# Allegro board 1155001-Timing_board_V3_20241024_1805_pcb.brd (continued)
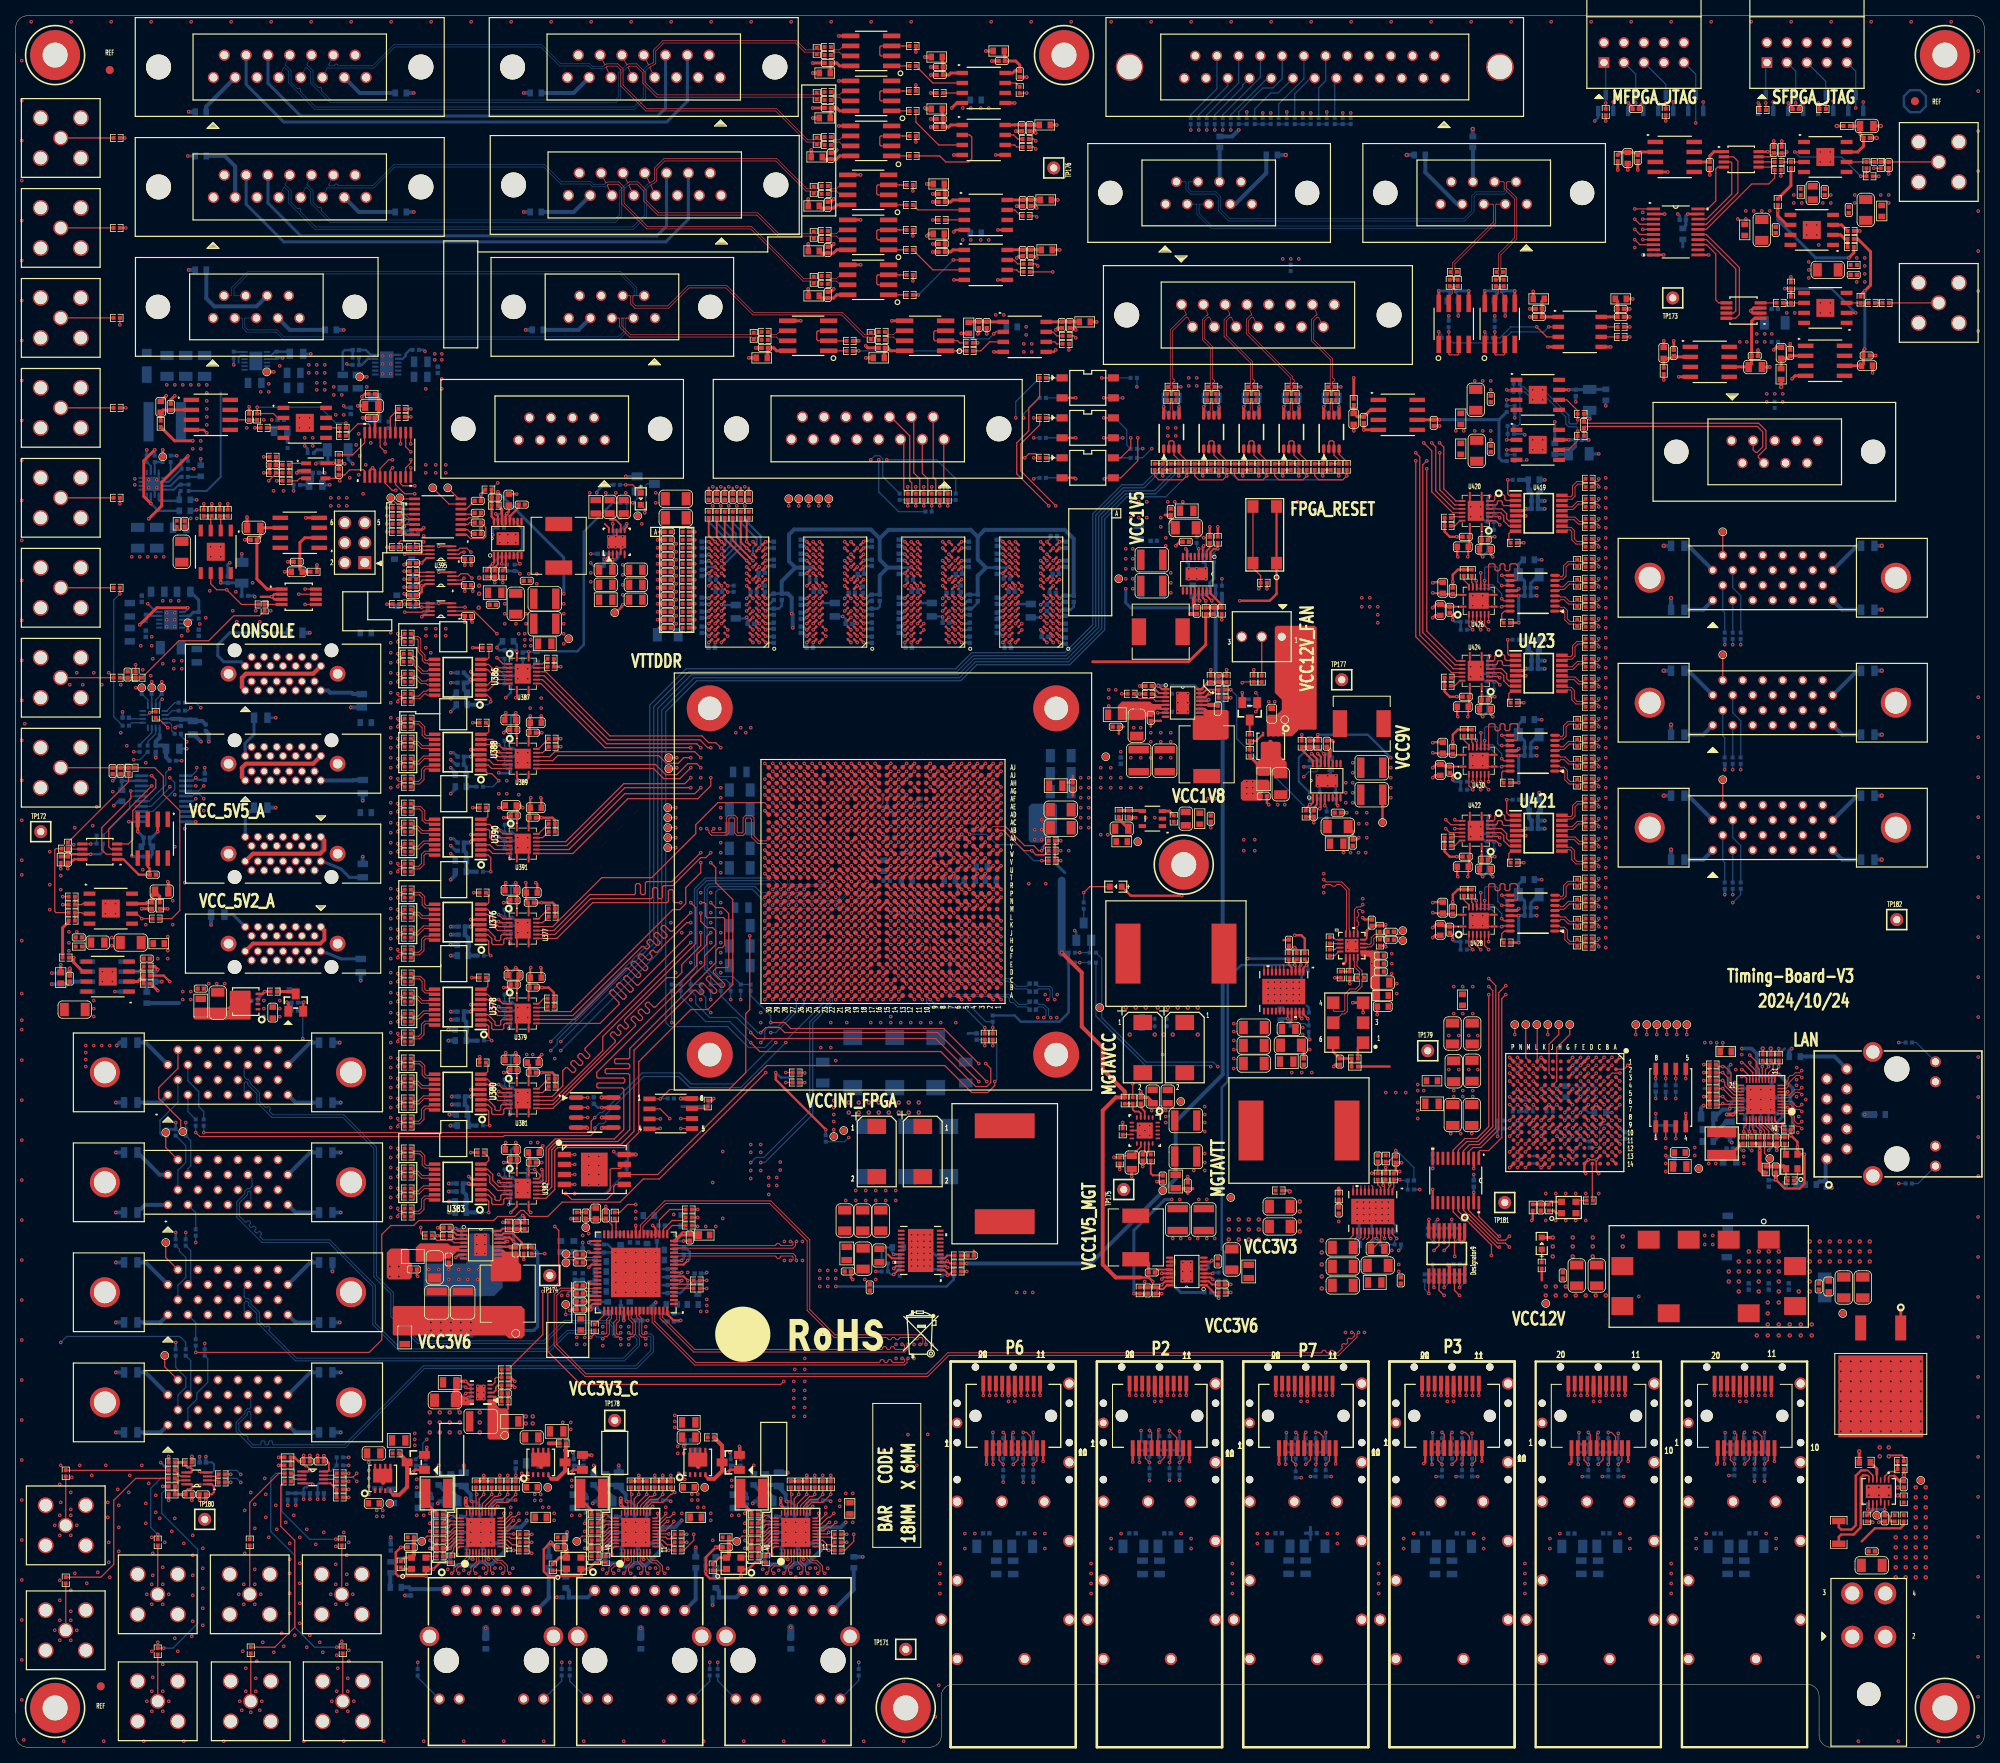
[diagram p0: board, top side]
## Routing (per net, layer and track width the routed paths; a pad name or vN(x,y) marks a point on that pad's centre or on a via; arc(x,y) is an arc through that point) (continued)
AD5592_1_SPI_MISO: length 101.6
  TOP w0.157: v1(19.3,129.54) 18.29,130.56 18.01,130.56 R946.2 ; U247.F30 v1(95.14,100)
  ART05 w0.102: v1(95.14,100) 94.64,100
  ART05 w0.117: 94.64,100 94.03,100 91.19,97.16 80.29,97.16 62.99,114.45 62.99,121.23 62.56,121.67 61.85,121.67 v1(61.34,121.16)
  ART10 w0.117: v1(61.34,121.16) 56.26,121.16 55.37,122.05 53.98,122.05 52.45,120.52 46.99,120.52 46.1,119.63 43.56,119.63 42.93,120.27 26.67,120.27 23.3,123.63 21.78,123.63 19.3,126.11 v1(19.3,129.54)
AD5592_1_SPI_MOSI: length 104.9
  TOP w0.157: U247.G29 v1(96.14,101)
  ART05 w0.102: v1(96.14,101) 95.74,100.6 94.97,100.6 94.82,100.75 94.64,100.75
  ART05 w0.117: v1(63.88,121.03) 65.53,119.38 65.53,114.63 67.86,112.3 67.86,112.14 67.31,111.59 67.31,111.43 67.48,111.26 67.64,111.26 68.19,111.81 68.35,111.81 68.52,111.64 68.52,111.48 67.97,110.93 67.97,110.77 68.14,110.6 68.31,110.6 68.85,111.15 69.02,111.15 82.25,97.92 90.93,97.92 93.77,100.75 94.64,100.75
  ART10 w0.117: v1(63.88,121.03) 63.37,121.54 63.37,123.7 62.48,124.59 60.71,124.59 59.94,123.83 46.1,123.83 44.2,121.92 26.92,121.92 25.27,123.57 25.27,130.3 v1(23.5,132.08)
  BOTTOM w0.157: R945.2 22.86,132.72 v1(23.5,132.08)
AD7680_CS: length 42.6
  TOP w0.157: U323.8 v1(36.74,147.15)
  ART05 w0.117: v1(19.56,124.33) 19.56,127.46 20.7,128.61 20.7,132.67 22.28,134.25 22.28,140.6 27.02,145.34 35.17,145.34 35.58,145.75 36.14,145.75 36.74,146.34 v1(36.74,147.15)
  BOTTOM w0.157: v1(19.56,124.33) 19.05,123.83 19.05,122.3 16.95,120.2 U324.15
AD7680_CS_ACS: length 14.8
  TOP w0.157: U435.15 214.7,192.21 218.9,188.01 218.9,182.04 218.43,181.56 U443.8
AD7680_CS_ACS_LS: length 231.3
  TOP w0.102: v1(100.14,111) U247.T25
  TOP w0.157: v1(205.61,192.86) 206.26,192.21 U435.6
  ART05 w0.117: v1(100.14,111) 99.63,111.51 98.93,111.51 98.68,111.25 98.68,110.66 98.23,110.21 85.58,110.21 71.37,124.42 71.37,160.3 76.51,165.44 76.51,169.13 80.43,173.05 130.99,173.05 132.73,174.79 170.94,174.79 171.32,174.41 196.96,174.41 202.01,179.46 202.01,189.93 204.94,192.86 v1(205.61,192.86)
AD7680_CS_LS: length 154.9
  TOP w0.157: U247.J19 v1(107.14,103)
  ART05 w0.102: v1(107.14,103) 106.68,102.54 106.68,101.73 106.43,101.47 105.92,101.47 105.66,101.22 105.66,100.84 105.28,100.46 104.9,100.46 104.65,100.2 104.65,99.82 104.33,99.5 100.9,99.5 100.54,99.14 100.54,97.83 100.24,97.54 99.82,97.54 99.69,97.41 99.69,96.77 99.44,96.52 98.93,96.52 98.54,96.12 98.54,95.83 98.21,95.5 94.87,95.5 94.36,95
  ART05 w0.117: v1(22.86,120.52) 22.35,121.03 22.35,125.35 22.99,125.98 22.99,132.33 24,133.35 24,139.83 26.72,142.54 35,142.54 36.35,143.89 48.26,143.89 49.15,144.78 50.16,144.78 51.05,145.67 51.94,145.67 53.21,144.4 55.24,144.4 56.26,143.38 57.28,143.38 57.53,143.13 57.53,142.11 58.93,140.72 58.93,111.12 64.39,105.66 64.39,104.78 76.28,92.89 87.07,92.89 87.45,92.51 91.87,92.51 94.36,95
  BOTTOM w0.157: U324.6 22.53,120.2 v1(22.86,120.52)
AD7680_SCLK: length 43
  TOP w0.157: U323.5 v1(36.74,145.2)
  ART05 w0.117: v1(36.74,145.2) 35.8,145.2 35.51,144.91 27.3,144.91 22.76,140.36 22.76,134.01 21.21,132.46 21.21,128.4 20.07,127.25 20.07,123.7 v1(19.56,123.19)
  BOTTOM w0.157: U324.13 17.42,118.9 20.19,121.67 20.19,122.56 v1(19.56,123.19)
AD7680_SCLK_ACS: length 10.1
  TOP w0.157: U435.13 214.73,190.91 215.9,189.74 215.9,183.9 216.28,183.51 U443.5
AD7680_SCLK_ACS_LS: length 222
  TOP w0.157: v1(205.61,191.56) 206.26,190.91 U435.8 ; U247.U30 v1(95.14,112)
  ART05 w0.117: v1(205.61,191.56) 203.19,189.13 203.19,177.83 198.72,173.35 189.61,173.35 188.21,171.96 133.48,171.96 133.1,171.58 80.21,171.58 77.39,168.76 77.39,165.08 72.25,159.93 72.25,124.81 84.16,112.9 91.59,112.9 92.55,111.95 95.09,111.95 v1(95.14,112)
AD7680_SCLK_LS: length 159.4
  TOP w0.157: U247.L17 v1(108.14,105)
  ART05 w0.102: 94.64,97.06 94.97,97.4 98.1,97.4 98.64,97.94 98.64,98.26 98.88,98.5 99.26,98.5 99.54,98.77 99.54,100.17 99.82,100.46 100.33,100.46 100.71,100.84 100.71,101.22 100.97,101.47 102.36,101.47 102.62,101.73 102.62,102.49 103.63,103.5 106.43,103.5 106.68,103.76 106.68,104.14 107.1,104.56 107.7,104.56 v1(108.14,105)
  ART05 w0.117: 94.64,97.06 93.85,96.28 93.85,95.53 92.1,93.78 77.54,93.78 61.09,110.24 61.09,111.89 59.82,113.16 59.82,142.49 58.04,144.27 56.52,144.27 54.23,146.56 50.67,146.56 50.22,146.1 48.82,146.1 47.5,144.78 35.98,144.78 35.17,143.97 27,143.97 23.19,140.16 23.19,133.81 21.72,132.33 21.72,130.81 22.23,130.3 22.23,126.62 21.54,125.93 21.54,120.32 v1(22.86,119)
  BOTTOM w0.157: U324.8 22.76,118.9 v1(22.86,119)
AD7680_SDATA: length 43.4
  TOP w0.157: U323.7 v1(35.94,146.5)
  ART05 w0.117: v1(35.94,146.5) 35.63,146.5 34.8,145.67 26.92,145.67 21.98,140.72 21.98,134.37 19.81,132.21 19.81,128.44 19.05,127.68 19.05,122.56 v1(19.56,122.05)
  BOTTOM w0.157: U324.14 17.19,119.55 19.56,121.92 v1(19.56,122.05)
AD7680_SDATA_ACS: length 13
  TOP w0.157: U443.7 218.16,182.21 218.44,182.5 218.44,187.83 214.72,191.56 U435.14
AD7680_SDATA_ACS_LS: length 226.1
  TOP w0.157: U247.U25 v1(100.14,112) ; U435.7 v1(206.63,191.56)
  ART05 w0.117: v1(100.14,112) 99.62,112.52 92.71,112.52 92.02,113.21 84.27,113.21 72.55,124.93 72.55,157.73 73.34,158.53 73.34,160.61 77.69,164.95 77.69,168.64 80.28,171.23 130.68,171.23 131.1,170.81 188.21,170.81 189.23,171.83 190.63,171.83 191.77,172.97 199.01,172.97 203.71,177.67 203.71,187.71 206.63,190.63 v1(206.63,191.56)
AD7680_SDATA_LS: length 156.6
  TOP w0.157: U247.H19 v1(106.14,102)
  ART05 w0.102: 94.64,96.42 94.74,96.52 98.22,96.52 98.54,96.83 98.54,97.27 98.87,97.6 99.3,97.6 99.74,98.04 99.74,99.31 99.87,99.44 100.33,99.44 100.58,99.69 100.58,100.08 100.97,100.46 104.27,100.46 104.65,100.84 104.65,101.22 104.93,101.5 105.31,101.5 105.81,102 v1(106.14,102)
  ART05 w0.117: 94.64,96.42 94.36,96.14 94.36,95.43 91.84,92.91 87.66,92.91 87.25,93.31 77.38,93.31 59.31,111.38 59.31,142.24 57.78,143.76 56.39,143.76 55.37,144.78 53.47,144.78 52.2,146.05 50.8,146.05 50.43,145.68 49.03,145.68 47.62,144.27 36.19,144.27 35.43,143.51 27.18,143.51 23.62,139.95 23.62,133.48 22.66,132.51 22.66,126.29 21.97,125.6 21.97,120.65 23.62,119 v1(23.88,119)
  BOTTOM w0.157: v1(23.88,119) 23.33,119.55 U324.7
ANALOG_ACS_VOLTAGE_IN: length 2.7
  TOP w0.157: U441.6 R3347.1 R3350.1
BPSI_CLK_N_C: length 23.2
  TOP w0.122: v1(48.51,137.92) 48.51,138.14 48.64,138.26 48.91,138.26 R2962.2
  ART05 w0.099: v1(48.51,137.92) 48.85,138.26 49.53,138.26 49.53,135.11 49.17,134.76 45.41,134.76 45.31,134.86 45.31,135.05 45.21,135.15 45.01,135.15 44.91,135.05 44.91,134.86 44.81,134.76 44.62,134.76 44.52,134.86 44.52,135.05 44.42,135.15 44.22,135.15 44.12,135.05 44.12,134.86 44.02,134.76 43.82,134.76 43.72,134.86 43.72,135.05 43.62,135.15 43.43,135.15 43.33,135.05 43.33,134.86 43.23,134.76 43.03,134.76 42.93,134.86 42.93,135.05 42.83,135.15 42.63,135.15 42.53,135.05 42.53,134.86 42.44,134.76 40.37,134.76 38.61,136.53 35.81,136.53 35.55,136.79 J77.22
BPSI_CLK_P: length 46.2
  TOP w0.122: U247.AF22 v1(103.14,121)
  TOP w0.157: U387.12 67.1,136.15 75.25,128 86.88,128 87.88,127 v1(88.27,127)
  ART08 w0.117: v1(103.14,121) 103.14,121.27 102.62,121.79 102.62,123.32 101.69,124.24 101.69,125.26 99.8,127.15 94.26,127.15 93.6,126.49 88.77,126.49 v1(88.27,127)
BPSI_CLK_P_C: length 23.2
  TOP w0.122: v1(48.51,138.94) 48.51,138.72 48.64,138.6 48.91,138.6 R2961.2
  ART05 w0.099: v1(48.51,138.94) 48.85,138.6 49.67,138.6 49.87,138.4 49.87,134.97 49.32,134.42 40.23,134.42 38.47,136.18 35.81,136.18 35.55,135.92 J77.9
BPSI_CLK_P_H: length 3.9
  TOP w0.157: U386.6 59.92,136.93 60.7,136.15 U387.5
BPSI_DATA0_N_C: length 25.1
  TOP w0.122: R2957.2 49.04,133.18 48.64,133.18 48.51,133.06 v1(48.51,132.84)
  ART03 w0.099: v1(48.51,132.84) 48.85,133.18 49.32,133.18 49.62,133.48 49.62,134.54 49.32,134.84 47.01,134.84 46.71,134.54 46.71,132.95 46.61,132.85 46.21,132.85 46.11,132.95 46.11,134.54 45.81,134.84 45.13,134.84 44.83,134.54 44.83,132.95 44.73,132.85 44.34,132.85 44.24,132.95 44.24,134.54 43.94,134.84 40.4,134.84 38.67,136.56 38.05,136.56 37.95,136.66 J77.25
BPSI_DATA0_P: length 43.1
  TOP w0.122: U247.AG25 v1(100.14,122)
  TOP w0.157: v1(85.72,127) 74.84,127 66.69,135.15 U387.10
  ART08 w0.102: v1(100.14,122) 100.54,122.4 100.54,125.17 100.15,125.55
  ART08 w0.117: 100.15,125.55 99.44,126.26 94.64,126.26 94.08,125.7 87.78,125.7 87,126.49 86.23,126.49 v1(85.72,127)
BPSI_DATA0_P_C: length 25.1
  TOP w0.122: R2956.2 49.04,133.52 48.64,133.52 48.51,133.64 v1(48.51,133.86)
  ART03 w0.099: J77.12 37.95,136.12 38.05,136.22 38.53,136.22 40.26,134.49 41.1,134.49 41.2,134.39 41.2,134.11 41.3,134.01 41.5,134.01 41.59,134.11 41.59,134.39 41.69,134.49 41.89,134.49 41.99,134.39 41.99,134.11 42.09,134.01 42.29,134.01 42.39,134.11 42.39,134.39 42.49,134.49 42.68,134.49 42.78,134.39 42.78,134.11 42.88,134.01 43.08,134.01 43.18,134.11 43.18,134.39 43.28,134.49 43.8,134.49 43.9,134.39 43.9,132.81 44.2,132.51 44.88,132.51 45.18,132.81 45.18,134.39 45.27,134.49 45.67,134.49 45.77,134.39 45.77,132.81 46.07,132.51 46.75,132.51 47.05,132.81 47.05,134.39 47.15,134.49 49.18,134.49 49.28,134.39 49.28,133.62 49.18,133.52 48.72,133.52 48.51,133.73 v1(48.51,133.86)
BPSI_DATA0_P_H: length 3.9
  TOP w0.157: U386.2 60.03,134.33 60.86,135.15 U387.7
BPSI_DATA1_N_C: length 21.8
  TOP w0.122: v1(48.51,136.4) 48.51,136.18 48.64,136.06 49.04,136.06 R2960.2
  ART10 w0.099: J77.24 37.15,137.22 37.72,136.65 38.48,136.65 40.01,135.13 40.31,135.13 40.61,134.83 40.61,133.72 40.71,133.62 41.1,133.62 41.2,133.72 41.2,134.83 41.5,135.13 42.53,135.13 42.62,135.23 42.62,135.46 42.72,135.56 42.92,135.56 43.02,135.46 43.02,135.23 43.12,135.13 43.32,135.13 43.42,135.23 43.42,135.46 43.52,135.56 43.71,135.56 43.81,135.46 43.81,135.23 43.91,135.13 44.62,135.13 44.92,134.83 44.92,133.09 45.02,132.99 45.42,132.99 45.52,133.09 45.52,134.83 45.82,135.13 46.41,135.13 47.35,136.06 48.18,136.06 v1(48.51,136.4)
BPSI_DATA1_P: length 47
  TOP w0.122: U247.AE23 v1(103.14,120)
  TOP w0.157: U387.11 66.9,135.65 75.05,127.5 86.5,127.5 v1(87,127)
  ART08 w0.102: 100.74,125.5 100.74,122.78 100.97,122.56 101.35,122.56 101.6,122.3 101.6,121.79 101.85,121.54 102.23,121.54 102.62,121.16 102.62,120.52 v1(103.14,120)
  ART08 w0.117: v1(87,127) 87.96,126.03 93.9,126.03 94.51,126.64 99.6,126.64 100.74,125.5
BPSI_DATA1_P_C: length 21.9
  TOP w0.122: R2959.2 49.04,135.72 48.64,135.72 48.51,135.6 v1(48.51,135.38)
  ART10 w0.099: v1(48.51,135.38) 48.18,135.72 47.49,135.72 46.56,134.79 45.96,134.79 45.86,134.69 45.86,132.95 45.56,132.65 44.88,132.65 44.58,132.95 44.58,134.69 44.48,134.79 41.64,134.79 41.54,134.69 41.54,133.57 41.24,133.27 40.56,133.27 40.26,133.57 40.26,134.69 40.17,134.79 39.86,134.79 38.34,136.31 37.72,136.31 37.15,135.74 J77.11
BPSI_DATA1_P_H: length 3.9
  TOP w0.157: U386.3 59.92,134.98 60.59,135.65 U387.6
BPSI_DATA2_N: length 108.6
  TOP w0.157: U247.AA21 v1(104.14,116)
  ART08 w0.099: 106.74,125.5 106.74,125.52 106.81,125.59 106.81,126.47 106.26,127.02 106.26,128.03 102,132.3 96.99,132.3 96.89,132.39 96.89,133.94 96.59,134.24 95.91,134.24 95.61,133.94 95.61,132.39 95.51,132.3 95.11,132.3 95.01,132.39 95.01,133.94 94.72,134.24 94.03,134.24 93.73,133.94 93.73,132.39 93.64,132.3 92.73,132.3 89.93,135.09 58.89,135.09 58.25,134.45 54.81,134.45 54.71,134.55 54.71,136.01 54.41,136.31 53.73,136.31 53.43,136.01 53.43,134.55 53.33,134.45 52.93,134.45 52.83,134.55 52.83,136.01 52.53,136.31 51.85,136.31 51.55,136.01 51.55,134.55 51.45,134.45 50.56,134.45 50.18,134.84 46.03,134.84 45.93,134.93 45.93,136.1 45.63,136.4 44.95,136.4 44.65,136.1 44.65,134.93 44.55,134.84 40.35,134.84 38.64,136.55 36.68,136.55 36.32,136.91 36.32,138.5 J77.23
  ART08 w0.102: 106.74,125.5 106.74,116.72 106.41,116.4 103.89,116.4 103.74,116.25 103.74,115.7 103.84,115.6 104.04,115.6 104.14,115.7 v1(104.14,116)
BPSI_DATA2_P: length 108.8
  TOP w0.157: U247.Y21 v1(104.14,115)
  ART08 w0.099: 106.54,125.5 106.54,125.52 106.47,125.59 106.47,126.32 105.92,126.87 105.92,127.89 101.85,131.95 96.85,131.95 96.55,132.25 96.55,133.8 96.45,133.9 96.05,133.9 95.95,133.8 95.95,132.25 95.65,131.95 94.97,131.95 94.67,132.25 94.67,133.8 94.57,133.9 94.18,133.9 94.08,133.8 94.08,132.25 93.78,131.95 92.58,131.95 89.79,134.75 59.03,134.75 58.4,134.11 54.66,134.11 54.36,134.41 54.36,135.87 54.27,135.97 53.87,135.97 53.77,135.87 53.77,134.41 53.47,134.11 52.79,134.11 52.49,134.41 52.49,135.87 52.39,135.97 51.99,135.97 51.9,135.87 51.9,134.41 51.6,134.11 50.42,134.11 50.04,134.49 45.89,134.49 45.59,134.79 45.59,135.96 45.49,136.06 45.09,136.06 44.99,135.96 44.99,134.79 44.69,134.49 43.49,134.49 43.39,134.39 43.39,134.24 43.29,134.14 43.09,134.14 42.99,134.24 42.99,134.39 42.89,134.49 42.69,134.49 42.59,134.39 42.59,134.24 42.5,134.14 42.3,134.14 42.2,134.24 42.2,134.39 42.1,134.49 41.9,134.49 41.8,134.39 41.8,134.24 41.7,134.14 41.5,134.14 41.41,134.24 41.41,134.39 41.31,134.49 40.21,134.49 38.49,136.21 36.45,136.21 36.25,136 36.25,135.52 J77.10
  ART08 w0.102: 106.54,125.5 106.54,116.81 106.33,116.6 103.8,116.6 103.54,116.34 103.54,115.62 103.76,115.4 104.04,115.4 104.14,115.3 v1(104.14,115)
BPSI_DATA3_N: length 105
  TOP w0.157: U247.Y24 v1(101.14,115)
  ART08 w0.099: 107.54,125.5 107.54,125.52 107.47,125.59 107.47,127.74 99.02,136.18 67.42,136.18 65.94,137.67 56.19,137.67 55.55,137.03 47.09,137.03 42.9,141.22 39.5,141.22 38.38,140.11 37.17,140.11 37.07,140.01 37.07,139.46 36.98,139.36 36.78,139.36 36.68,139.46 36.68,140.01 36.58,140.11 36.38,140.11 36.28,140.01 36.28,139.46 36.18,139.36 35.99,139.36 35.89,139.46 35.89,140.01 35.79,140.11 34.95,140.11 34.29,139.45 34.29,138.99 J77.21
  ART08 w0.102: 107.54,125.5 107.54,114.75 107.39,114.6 102.92,114.6 102.74,114.79 102.74,115.34 102.47,115.6 101.76,115.6 101.54,115.38 101.54,115.1 101.43,115 v1(101.14,115)
BPSI_DATA3_P: length 106.9
  TOP w0.157: U247.Y23 v1(102.14,115)
  ART08 w0.099: 107.74,125.5 107.74,125.52 107.81,125.59 107.81,127.88 99.16,136.53 67.56,136.53 66.08,138.01 56.04,138.01 55.41,137.38 47.23,137.38 43.04,141.57 39.35,141.57 38.24,140.45 34.81,140.45 33.95,139.59 33.95,138.36 34.75,137.55 J77.8
  ART08 w0.102: 107.74,125.5 107.74,114.66 107.47,114.4 102.84,114.4 102.54,114.7 102.54,115.25 102.39,115.4 101.84,115.4 101.74,115.3 101.74,115.1 101.84,115 v1(102.14,115)
BPSR2_CLK_N_C: length 17.3
  TOP w0.122: R2974.2 49.04,125.26 48.64,125.26 48.51,125.38 v1(48.51,125.6)
  ART05 w0.099: v1(48.51,125.6) 48.18,125.27 46.4,125.27 44.7,123.57 43.77,123.57 43.67,123.67 43.67,123.85 43.57,123.95 43.37,123.95 43.27,123.85 43.27,123.67 43.18,123.57 42.98,123.57 42.88,123.67 42.88,123.85 42.78,123.95 42.58,123.95 42.48,123.85 42.48,123.67 42.38,123.57 40.26,123.57 38.73,125.09 36.07,125.09 35.55,125.61 J104.22
BPSR2_CLK_P: length 45.1
  TOP w0.157: U389.11 81.27,124.85 82.55,123.57 83.95,123.57 85.34,124.97 86.49,124.97 v1(87,124.46) ; U247.AB22 v1(104.14,117)
  ART08 w0.117: v1(87,124.46) 97.41,124.46 97.66,124.21 97.66,121.67 97.92,121.41 98.42,121.41 98.68,121.16 98.68,120.78 99.95,119.51 100.33,119.51 100.58,119.25 100.58,118.87 100.97,118.49 102.23,118.49 103.73,117 v1(104.14,117)
BPSR2_CLK_P_C: length 17.3
  TOP w0.122: v1(48.51,124.59) 48.51,124.81 48.64,124.93 49.04,124.93 R2973.2
  ART05 w0.099: J104.9 35.55,124.23 36.07,124.75 38.59,124.75 40.12,123.23 44.85,123.23 46.54,124.92 48.18,124.92 v1(48.51,124.59)
BPSR2_CLK_P_H: length 3.8
  TOP w0.157: U388.3 60.09,125.45 60.69,124.85 U389.6
BPSR2_DATA0_N_C: length 36.5
  TOP w0.122: v1(48.51,141.48) 48.51,141.26 48.64,141.14 49.04,141.14 R2968.2
  ART10 w0.099: J104.25 37.95,125.5 38.28,125.17 38.46,125.17 40.18,123.44 42.8,123.44 45.85,126.49 49.78,126.49 50.29,127 50.29,136.53 49.78,137.03 47.12,137.03 46.61,137.54 46.61,140.59 47.11,141.09 48.12,141.09 v1(48.51,141.48)
BPSR2_DATA0_P: length 44
  TOP w0.122: U247.AJ22 v1(103.14,124)
  TOP w0.157: v1(89.53,127) 88.9,127.64 88.01,127.64 87.15,128.5 75.46,128.5 67.31,136.65 U387.13
  ART08 w0.117: v1(103.14,124) 102.64,124.5 102.64,125.2 100.08,127.76 94.23,127.76 93.47,127 v1(89.53,127)
BPSR2_DATA0_P_C: length 36.5
  TOP w0.122: v1(48.51,140.46) 48.51,140.68 48.64,140.8 49.04,140.8 R2964.2
  ART10 w0.099: v1(48.51,140.46) 48.24,140.74 47.25,140.74 46.95,140.45 46.95,137.68 47.26,137.38 49.93,137.38 50.63,136.67 50.63,126.86 49.93,126.15 45.99,126.15 45.18,125.34 45.18,125.19 45.24,125.13 45.24,124.99 45.1,124.85 44.96,124.85 44.89,124.91 44.75,124.91 44.61,124.77 44.61,124.63 44.68,124.57 44.68,124.43 44.54,124.29 44.4,124.29 44.33,124.35 44.19,124.35 44.05,124.21 44.05,124.07 44.12,124.01 44.12,123.87 43.98,123.73 43.84,123.73 43.77,123.79 43.63,123.79 42.94,123.1 40.04,123.1 38.31,124.83 38.09,124.83 37.95,124.69 J104.12
BPSR2_DATA0_P_H: length 4
  TOP w0.157: U387.4 60.97,136.65 60.04,137.58 U386.7
BPSR2_DATA1_N_C: length 19.6
  TOP w0.122: R2972.2 49.04,122.39 48.64,122.39 48.51,122.27 v1(48.51,122.05)
  ART03 w0.099: v1(48.51,122.05) 48.85,122.38 49.05,122.38 49.15,122.28 49.15,121.26 49.05,121.16 42.78,121.16 41.89,122.04 41.89,122.18 42.01,122.3 42.01,122.44 41.87,122.58 41.73,122.58 41.61,122.46 41.47,122.46 41.33,122.6 41.33,122.74 41.45,122.86 41.45,123 41.3,123.14 41.16,123.14 41.05,123.02 40.91,123.02 38.79,125.15 37.61,125.15 37.16,124.69 36.98,124.69 36.83,124.84 36.83,125.63 J104.24
BPSR2_DATA1_P: length 44.8
  TOP w0.157: v1(85.72,124.46) 84.33,123.06 82.3,123.06 81,124.36 U389.10 ; U247.AA22 v1(103.14,116)
  ART08 w0.117: v1(85.72,124.46) 86.36,123.83 86.36,123.06 86.69,122.73 94.44,122.73 94.61,122.56 96.27,122.56 96.65,122.17 96.65,120.78 96.9,120.52 98.3,120.52 99.69,119.13 99.69,117.86 100.08,117.47 102.36,117.47 102.62,117.22 102.62,116.52 v1(103.14,116)
BPSR2_DATA1_P_C: length 19.6
  TOP w0.122: v1(48.51,123.06) 48.51,122.84 48.64,122.72 49.04,122.72 R2970.2
  ART03 w0.099: v1(48.51,123.06) 48.85,122.73 49.19,122.73 49.49,122.43 49.49,121.11 49.19,120.82 42.63,120.82 38.65,124.8 37.76,124.8 37.15,124.2 J104.11
BPSR2_DATA1_P_H: length 3.8
  TOP w0.157: U389.7 60.43,124.36 59.98,124.8 U388.2
BPSR2_DATA2_N: length 88.4
  TOP w0.122: U247.AH22 v1(103.14,122)
  ART08 w0.099: J104.23 35.92,127.53 35.92,127.89 36.69,128.66 36.83,128.66 37.27,128.22 37.41,128.22 37.55,128.36 37.55,128.5 37.11,128.94 37.11,129.08 37.25,129.22 37.39,129.22 37.83,128.78 37.97,128.78 38.11,128.92 38.11,129.06 37.67,129.5 37.67,129.64 37.81,129.78 37.95,129.78 38.39,129.34 38.53,129.34 38.68,129.48 38.68,129.62 38.23,130.06 38.23,130.2 38.75,130.72 44.28,130.72 46.23,128.78 49.92,128.78 50.02,128.68 50.02,127.55 50.32,127.25 51,127.25 51.3,127.55 51.3,128.68 51.4,128.78 51.79,128.78 51.89,128.68 51.89,127.55 52.19,127.25 52.87,127.25 53.17,127.55 53.17,128.68 53.27,128.78 59.82,128.78 61.09,130.05 81.28,130.05 83.57,127.76 93.09,127.76 94.11,128.78 101.42,128.78 103.47,126.73 103.47,125.59 103.54,125.52 103.54,125.5
  ART08 w0.102: v1(103.14,122) 103.43,122 103.54,122.1 103.54,125.5
BPSR2_DATA2_P: length 88.5
  TOP w0.122: U247.AG22 v1(104.14,122)
  ART08 w0.099: J104.10 36.35,126.12 35.57,126.9 35.57,128.03 38.61,131.06 44.43,131.06 46.37,129.12 50.06,129.12 50.36,128.82 50.36,127.7 50.46,127.6 50.85,127.6 50.95,127.7 50.95,128.82 51.25,129.12 51.93,129.12 52.23,128.82 52.23,127.7 52.33,127.6 52.73,127.6 52.83,127.7 52.83,128.82 53.13,129.12 59.67,129.12 60.94,130.39 81.42,130.39 83.71,128.1 92.95,128.1 93.96,129.12 101.56,129.12 103.81,126.87 103.81,125.59 103.74,125.52 103.74,125.5
  ART08 w0.102: 103.74,125.5 103.74,122.22 103.96,122 v1(104.14,122)
BPSR2_DATA3_N: length 90.4
  TOP w0.122: U247.AF21 v1(104.14,121)
  ART08 w0.099: J104.21 34.29,127.56 34.29,128.29 38.62,132.63 39.49,132.63 39.59,132.53 39.59,131.89 39.69,131.8 39.88,131.8 39.98,131.89 39.98,132.53 40.08,132.63 40.28,132.63 40.38,132.53 40.38,131.89 40.48,131.8 40.68,131.8 40.78,131.89 40.78,132.53 40.87,132.63 41.07,132.63 41.17,132.53 41.17,131.89 41.27,131.8 41.47,131.8 41.57,131.89 41.57,132.53 41.67,132.63 45.96,132.63 47.1,131.48 49.75,131.48 50.55,130.68 59.69,130.68 61.47,132.46 81.66,132.46 85.34,128.78 90.04,128.78 91.82,130.56 101.6,130.56 104.47,127.69 104.47,125.59 104.53,125.53 104.53,125.51 104.54,125.51 104.54,125.5
  ART08 w0.102: 104.54,125.5 104.54,121.12 104.41,121 v1(104.14,121)
BPSR2_DATA3_P: length 90.4
  TOP w0.122: U247.AF20 v1(105.14,121)
  ART08 w0.099: J104.8 34.75,126.12 33.95,126.92 33.95,128.44 38.48,132.97 46.1,132.97 47.24,131.83 49.89,131.83 50.69,131.03 59.55,131.03 61.33,132.8 81.8,132.8 85.49,129.12 89.9,129.12 91.68,130.9 101.74,130.9 104.81,127.83 104.81,125.74 104.87,125.67 104.87,125.66 104.74,125.52 104.74,125.5
  ART08 w0.102: v1(105.14,121) 105.03,121 104.74,121.3 104.74,125.5
BPSR_CLK_N_C: length 43
  TOP w0.122: R2988.2 49.04,111.59 48.64,111.59 48.51,111.47 v1(48.51,111.25)
  ART03 w0.099: J80.22 32.35,113.02 32.7,113.37 38.47,113.37 40.06,114.96 40.06,116.21 39.7,116.58 39.7,117.21 40.01,117.53 40.57,117.53 40.67,117.43 40.67,117.3 40.77,117.2 40.97,117.2 41.07,117.3 41.07,117.43 41.17,117.53 41.36,117.53 41.46,117.43 41.46,117.3 41.56,117.2 41.76,117.2 41.86,117.3 41.86,117.43 41.96,117.53 42.16,117.53 42.25,117.43 42.25,117.3 42.35,117.2 42.55,117.2 42.65,117.3 42.65,117.43 42.75,117.53 43.35,117.53 43.52,117.36 43.52,116.65 43.31,116.45 41.52,116.45 41.19,116.11 41.19,115.47 41.49,115.17 42.32,115.17 42.42,115.07 42.42,111.75 42.72,111.46 44.63,111.46 44.93,111.75 44.93,113.62 44.61,113.94 44.04,113.94 43.94,114.04 43.94,115.05 44.04,115.15 46.28,115.15 46.75,114.68 46.75,114.27 46.65,114.17 45.9,114.17 45.6,113.87 45.6,113.19 45.9,112.89 46.65,112.89 46.75,112.79 46.75,111.89 47.05,111.59 48.18,111.59 v1(48.51,111.25)
BPSR_CLK_P: length 36.7
  TOP w0.122: U247.AJ28 v1(97.14,124)
  TOP w0.157: U391.10 70.76,113.56 77.72,120.52 86.61,120.52 88.27,122.17 v1(88.27,123.19)
  ART08 w0.117: v1(88.27,123.19) 94.08,123.19 94.36,123.47 96.61,123.47 v1(97.14,124)
BPSR_CLK_P_C: length 43.1
  TOP w0.122: R2985.2 49.04,111.93 48.64,111.93 48.51,112.05 v1(48.51,112.27)
  ART03 w0.099: J80.9 32.35,113.81 32.45,113.72 38.33,113.72 39.72,115.11 39.72,116.07 39.35,116.44 39.35,117.35 39.87,117.87 43.49,117.87 43.86,117.5 43.86,116.51 43.46,116.1 41.67,116.1 41.53,115.97 41.53,115.61 41.63,115.51 42.46,115.51 42.76,115.21 42.76,111.9 42.86,111.8 44.49,111.8 44.59,111.9 44.59,113.47 44.47,113.6 43.9,113.6 43.6,113.9 43.6,115.19 43.9,115.49 46.42,115.49 47.09,114.82 47.09,114.12 46.79,113.82 46.04,113.82 45.94,113.72 45.94,113.33 46.04,113.23 46.79,113.23 47.09,112.93 47.09,112.03 47.19,111.93 48.18,111.93 v1(48.51,112.27)
BPSR_CLK_P_H: length 3.8
  TOP w0.157: U390.2 60.11,114.01 60.56,113.56 U391.7
BPSR_DATA0_N_C: length 44.2
  TOP w0.122: R2976.2 49.04,127.47 48.64,127.47 48.51,127.35 v1(48.51,127.13)
  ART03 w0.099: J80.25 29.95,113.05 29.68,113.32 29.45,113.32 27.87,114.91 27.87,116.62 29.91,118.66 34,118.66 34.1,118.76 34.1,119.11 34.4,119.41 35.08,119.41 35.38,119.11 35.38,118.76 35.48,118.66 35.88,118.66 35.97,118.76 35.97,119.11 36.27,119.41 36.95,119.41 37.25,119.11 37.25,118.76 37.35,118.66 37.98,118.66 39.7,120.38 42.1,120.38 42.67,119.81 45.51,119.81 47,118.33 48.88,118.33 50.29,119.74 50.29,126.78 49.61,127.46 48.85,127.46 v1(48.51,127.13)
BPSR_DATA0_P: length 48
  TOP w0.157: U389.12 68.19,125.36 68.83,125.99 81.65,125.99 82.61,125.03 84.14,125.03 84.84,125.73 v1(85.72,125.73) ; U247.AC20 v1(106.14,118)
  ART08 w0.117: v1(85.72,125.73) 86.49,124.97 94.36,124.97 94.89,125.5 98.27,125.5 98.68,125.09 98.68,121.79 98.93,121.54 99.31,121.54 99.69,121.16 99.69,120.78 99.95,120.52 100.33,120.52 100.58,120.27 100.58,119.76 100.84,119.51 102.23,119.51 102.62,119.13 102.62,118.75 102.87,118.49 105.65,118.49 v1(106.14,118)
BPSR_DATA0_P_C: length 44.2
  TOP w0.122: v1(48.51,128.14) 48.51,127.92 48.64,127.8 49.04,127.8 R2975.2
  ART03 w0.099: v1(48.51,128.14) 48.85,127.81 49.75,127.81 50.63,126.92 50.63,119.6 49.02,117.98 46.86,117.98 45.37,119.47 42.53,119.47 41.95,120.04 39.84,120.04 38.12,118.32 37.21,118.32 36.91,118.62 36.91,118.97 36.81,119.07 36.42,119.07 36.32,118.97 36.32,118.62 36.02,118.32 35.34,118.32 35.04,118.62 35.04,118.97 34.94,119.07 34.54,119.07 34.44,118.97 34.44,118.62 34.14,118.32 30.05,118.32 29.62,117.88 29.62,117.74 29.73,117.63 29.73,117.49 29.59,117.35 29.45,117.35 29.34,117.46 29.2,117.46 29.06,117.32 29.06,117.18 29.17,117.07 29.17,116.93 29.03,116.79 28.89,116.79 28.78,116.9 28.64,116.9 28.21,116.47 28.21,115.05 29.59,113.67 29.84,113.67 29.95,113.77 J80.12
BPSR_DATA0_P_H: length 5.1
  TOP w0.157: U389.5 61.21,125.36 60.45,126.11 60.45,127.25 60.29,127.4 U388.6
BPSR_DATA1_N_C: length 43.3
  TOP w0.122: v1(48.51,130.68) 48.51,130.46 48.64,130.34 49.04,130.34 R2980.2
  ART03 w0.099: J80.24 30.75,114.7 31.56,115.51 31.56,116.11 32.19,116.75 37.89,116.75 39.66,118.52 44.26,118.52 47.42,115.35 49.36,115.35 51.65,117.65 51.65,127.97 49.32,130.3 48.61,130.3 48.51,130.39 v1(48.51,130.68)
BPSR_DATA1_P: length 43.8
  TOP w0.122: U247.AD23 v1(103.14,119)
  TOP w0.157: U389.13 67.82,125.85 68.45,126.49 86.24,126.49 v1(87,125.73)
  ART08 w0.117: v1(103.14,119) 103.14,119.11 101.6,120.65 101.6,121.16 101.26,121.5 99.99,121.5 99.64,121.85 99.64,125.15 98.91,125.88 94.77,125.88 94.23,125.35 87.38,125.35 v1(87,125.73)
BPSR_DATA1_P_C: length 43.3
  TOP w0.122: v1(48.51,129.67) 48.51,129.89 48.64,130.01 49.04,130.01 R2979.2
  ART03 w0.099: v1(48.51,129.67) 48.8,129.95 49.18,129.95 51.31,127.82 51.31,117.79 49.21,115.7 47.56,115.7 44.4,118.86 39.52,118.86 37.75,117.09 35.93,117.09 35.83,117.19 35.83,117.56 35.73,117.66 35.53,117.66 35.43,117.56 35.43,117.19 35.34,117.09 35.14,117.09 35.04,117.19 35.04,117.56 34.94,117.66 34.74,117.66 34.64,117.56 34.64,117.19 34.54,117.09 34.34,117.09 34.25,117.19 34.25,117.56 34.15,117.66 33.95,117.66 33.85,117.56 33.85,117.19 33.75,117.09 33.55,117.09 33.45,117.19 33.45,117.56 33.35,117.66 33.16,117.66 33.06,117.56 33.06,117.19 32.96,117.09 32.05,117.09 31.22,116.26 31.22,115.65 31.06,115.5 30.92,115.5 J80.11